# Allegro board HI3516APERB_VER_B_PCB.brd (continued)
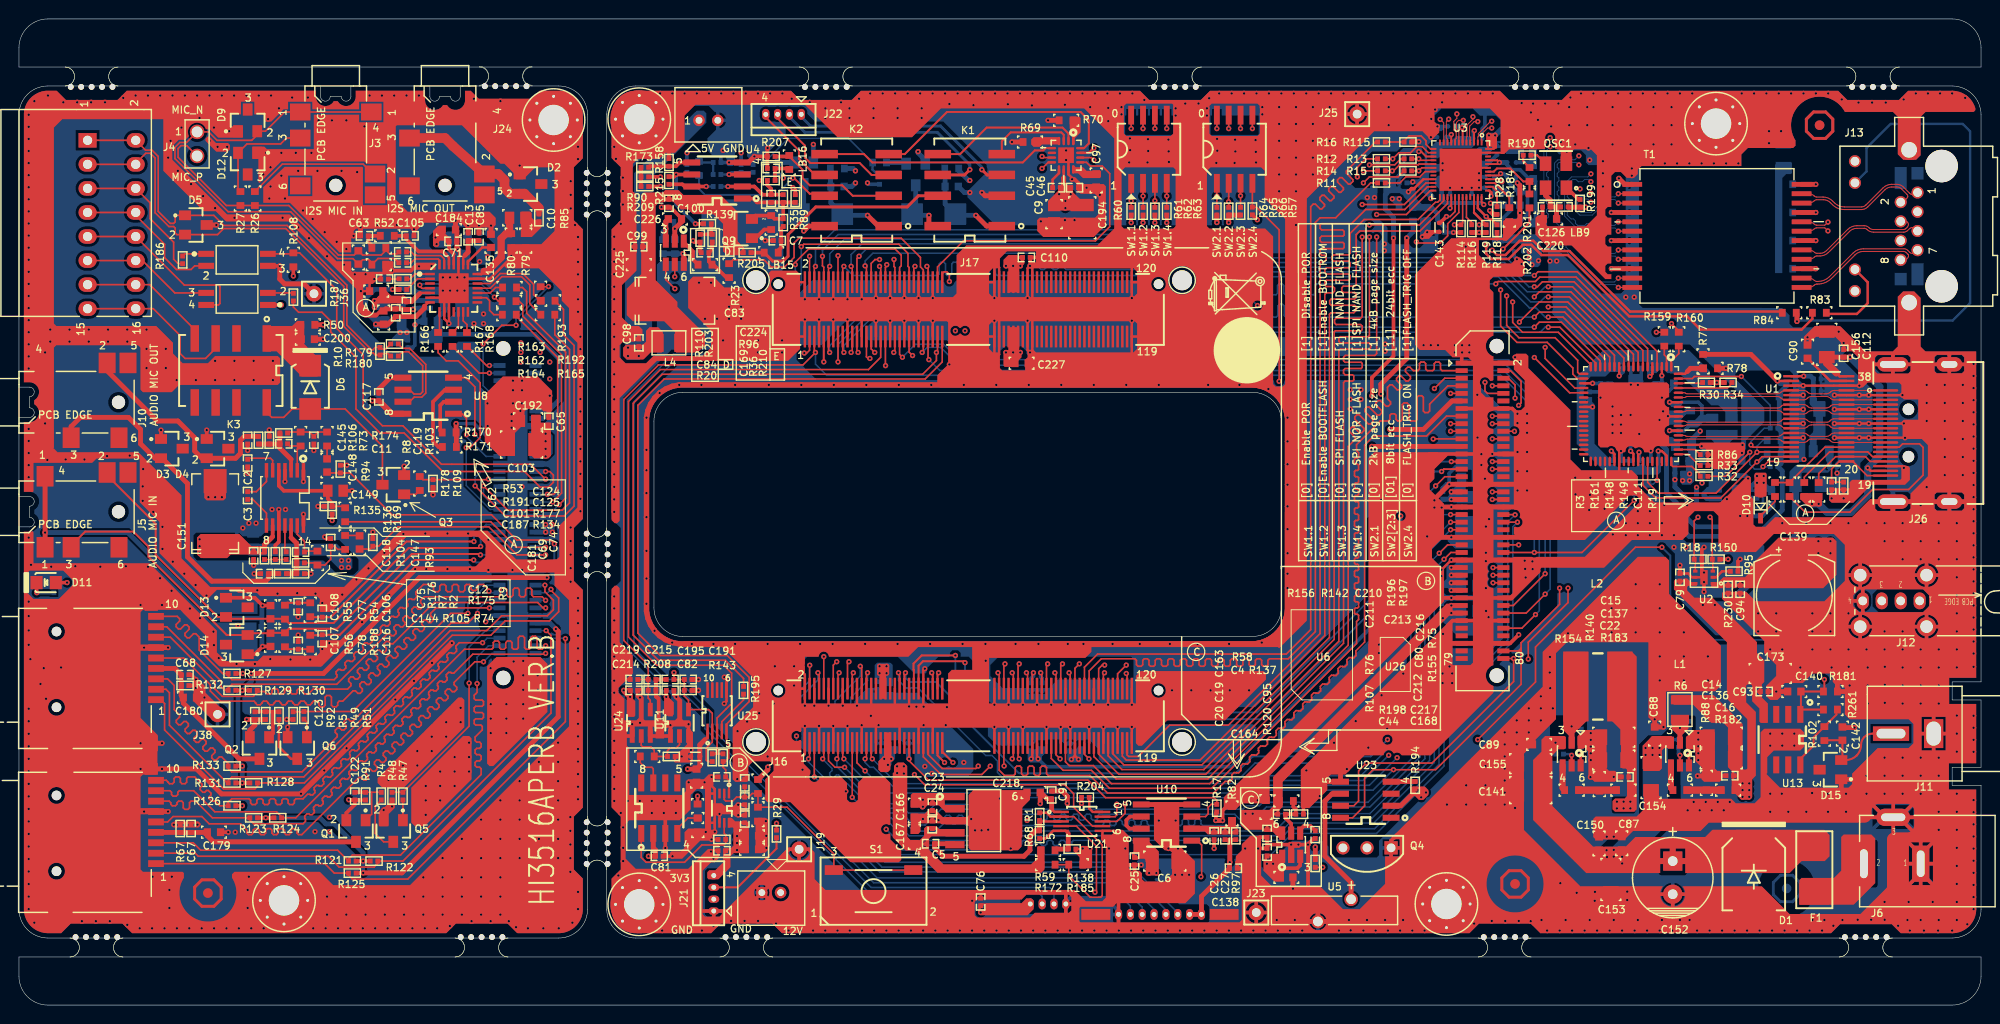
[diagram p0: board, top side]
## Placement (name value [footprint] x y rotation side) (continued)
R28  0  [SR0402]  155.96 83.91 90 top
R29  0  [SR0402]  79.93 18.08 270 top
R30  0  [SR0402]  178.05 65.75 0 top
R31  0  [SR0402]  170.43 54.45 90 bottom
R32  0  [SR0402]  177.8 55.85 0 top
R33  0  [SR0402]  177.8 56.99 0 top
R34  0  [SR0402]  180.34 65.75 180 top
R35  100/NC  [SR0603]  79.38 82.64 270 top
R36  1MEG  [SR0402]  80.64 85.18 270 top
R37  1K  [SR0402]  126.39 93.72 90 bottom
R38  1K  [SR0402]  128.9 93.72 90 bottom
R39  1K  [SR0402]  130.15 93.72 90 bottom
R40  1K  [SR0402]  127.64 93.72 90 bottom
R41  1K  [SR0402]  121.11 93.72 90 bottom
R42  1K  [SR0402]  118.61 93.72 90 bottom
R43  1K  [SR0402]  117.36 93.72 90 bottom
R44  1K  [SR0402]  119.86 93.72 90 bottom
R45  1K  [SR0402]  90.81 87.09 270 bottom
R46  1K  [SR0402]  79.38 87.72 0 bottom
R47  1K  [SR0402]  40.51 22.07 270 top
R48  1K  [SR0402]  39.37 22.07 270 top
R49  1K  [SR0402]  28.93 30.57 270 top
R50  10  [SR0603]  30.48 71.85 180 top
R51  1K  [SR0402]  30.07 30.6 270 top
R52  1.1K  [SR0603]  38.86 81.25 0 top
R53  1.1K  [SR0603]  37.97 79.98 0 top
R54  1.1K  [SR0603]  30.73 41.75 270 top
R55  1.1K  [SR0603]  28.07 41.5 270 top
R56  1.1K  [SR0603]  28.07 38.58 90 top
R57  10K  [SR0402]  130.15 83.87 90 top
R58  12K  [SR0603]  133.73 21.56 0 top
R59  12K  [SR0603]  108.58 16.35 0 top
R60  10K  [SR0402]  117.36 83.84 90 top
R61  10K  [SR0402]  118.61 83.84 90 top
R62  10K  [SR0402]  119.86 83.84 90 top
R63  10K  [SR0402]  121.11 83.84 90 top
R64  10K  [SR0402]  126.39 83.84 90 top
R65  10K  [SR0402]  127.64 83.85 90 top
R66  10K  [SR0402]  128.9 83.85 90 top
R67  10K  [SR0402]  17.02 18.65 90 top
R68  NC/0  [SR0402]  107.7 18 270 top
R69  1  [SR0603]  106.68 91.15 180 top
R70  1  [SR0603]  110.49 93.44 180 top
R71  100K  [SR0402]  175.11 27.63 270 bottom
R72  100K  [SR0402]  162.56 26.51 0 bottom
R73  100K  [SR0402]  26.42 59.66 90 top
R74  100K  [SR0402]  29.72 45.56 0 top
R75  4.7K  [SR0603]  77.98 23.08 90 top
R76  4.7K  [SR0603]  71.6 20.49 90 top
R77  NC/4.7K  [SR0603]  177.7 67.99 90 top
R78  4.7K  [SR0603]  178.49 67.25 180 top
R79  4.7K  [SR0603]  53.47 80.74 90 top
R80  NC/10  [SR0603]  51.94 80.74 270 top
R81  10  [SR0603]  20.95 48.48 180 bottom
R82  7.5K  [SR0603]  127.99 20.24 270 top
R83  510  [SR0603]  189.97 73.12 0 top
R84  510  [SR0603]  186.79 73.12 0 top
R85  220  [SR0402]  54.86 83.15 270 top
R86  4.3K  [SR0402]  177.8 58.13 180 top
R87  47K  [SR0402]  185.19 56.86 0 bottom
R88  7.68K  [SR0603]  178.05 23.46 90 top
R89  10  [SR0402]  80.64 82.64 270 top
R90  15K  [SR0402]  66.04 87.47 0 top
R91  2K  [SR0402]  36.58 22.07 90 top
R92  2K  [SR0402]  26.04 30.57 90 top
R93  470K  [SR0402]  37.34 48.86 90 top
R94  470K  [SR0402]  33.91 56.61 90 top
R95  20K  [SR0402]  180.97 45.81 0 top
R96  75  [SR0402]  79.38 87.09 180 top
R97  2.43K  [SR0402]  128.4 17.87 270 top
R98  75  [SR0603]  186.42 86.68 180 bottom
R99  75  [SR0603]  186.42 83.71 180 bottom
R100  75  [SR0603]  186.42 80.74 180 bottom
R101  75  [SR0603]  186.42 77.77 180 bottom
R102  75  [SR0603]  190.5 28.67 270 top
R103  24.3K  [SR0603]  32.51 59.78 90 top
R104  24.3K  [SR0603]  34.42 48.86 90 top
R105  560  [HSR0402]  27.81 45.56 180 top
R106  560  [HSR0402]  25.27 59.66 270 top
R107  NC/1K  [SR0603]  71.63 19.02 90 top
R108  1K  [SR0603]  28.96 78.71 90 top
R109  1K  [SR0402]  43.69 55.09 270 top
R110  2.7K  [SR0402]  71.88 80.99 270 top
R111  4.7K  [SR0402]  143.76 89.38 0 bottom
R112  4.7K  [SR0402]  143.76 88.11 0 bottom
R113  4.7K  [SR0402]  146.56 88.11 0 bottom
R114  4.7K  [SR0402]  152.15 82.01 90 top
R115  4.7K  [SR0402]  146.56 91.15 180 top
R116  4.7K  [SR0402]  153.29 82.01 90 top
R117  4.7K  [SR0402]  146.56 89.38 0 bottom
R118  4.7K  [SR0402]  155.96 82.01 90 top
R119  4.7K  [SR0402]  154.81 82.01 90 top
R120  4.7K  [SR0402]  136.78 14.95 270 top
R121  4.7K  [SR0402]  35.18 15.21 180 top
R122  4.7K  [SR0402]  37.47 15.21 0 top
R123  4.7K  [SR0402]  24.77 19.78 180 top
R124  4.7K  [SR0402]  27.3 19.78 0 top
R125  4.7K  [SR0402]  35.18 13.94 180 top
R126  4.7K  [SR0402]  22.48 21.05 180 top
R127  4.7K  [SR0402]  22.48 35.02 180 top
R128  4.7K  [SR0402]  24.77 23.46 0 top
R129  4.7K  [SR0402]  22.48 33.24 180 top
R130  4.7K  [SR0402]  24.74 33.24 0 top
R131  4.7K  [SR0402]  22.48 23.46 180 top
R132  10K  [SR0402]  17.53 33.75 0 top
R133  4.7K  [SR0402]  22.48 25.24 180 top
R134  4.7K  [SR0402]  40.51 75.58 0 top
R135  NC/4.7K  [SR0402]  32.64 52.67 180 top
R136  4.7K  [SR0402]  33.05 52.27 90 top
R137  24.9K  [SR0402]  135.13 20.16 0 top
R138  24.9K  [SR0402]  111.12 16.48 0 top
R139  2.7K  [SR0402]  72.64 82.52 180 top
R140  12.7K  [SR0603]  166.75 23.34 90 top
R141  22  [SR0402]  73.66 87.72 0 bottom
R142  1K  [SR0402]  68.83 26.26 180 top
R143  1K  [SR0402]  70.61 33.24 0 top
R144  2K  [SR0603]  90.81 88.99 0 bottom
R145  2K  [SR0603]  79.38 88.99 0 bottom
R146  2K  [SR0603]  185.19 58.16 0 bottom
R147  2K  [SR0603]  185.19 59.66 0 bottom
R148  2K  [SR0603]  188.38 54.45 270 top
R149  2K  [SR0603]  189.9 54.45 270 top
R150  100K  [SR0402]  179.07 47.08 180 top
R151  100K  [SR0402]  185.19 60.93 0 bottom
R152  0  [SR0603]  146.35 84.32 0 bottom
R153  NC/0  [SR0603]  147.09 83.53 90 bottom
R154  0  [SR0603]  163.83 22.7 0 top
R155  NC/0  [SR0603]  77.98 20.16 90 top
R156  0  [SR0603]  66.29 26.26 0 top
R157  10K  [SR0402]  77.47 88.36 90 bottom
R158  10K  [SR0402]  68.58 88.99 90 top
R159  0  [SR0603]  173.61 70.33 90 top
R160  0  [SR0603]  175.13 70.33 90 top
R161  NC/0  [SR0603]  186.82 54.45 90 top
R162  0  [SR0603]  51.71 74.34 0 top
R163  0  [SR0603]  51.77 75.79 0 top
R164  0  [SR0603]  51.74 72.92 0 top
R165  0  [SR0603]  55.8 72.92 0 top
R166  0  [SR0603]  44.22 70.3 270 top
R167  0  [SR0603]  45.75 70.3 270 top
R168  0  [SR0603]  47.27 70.3 270 top
R169  NC/0  [SR0603]  34.42 51.78 90 top
R170  0  [SR0603]  45.39 60.47 180 top
R171  0  [SR0603]  45.42 58.95 180 top
R172  56.2K  [SR0603]  108.58 14.83 0 top
R173  10K  [SR0402]  66.04 88.49 0 top
R174  100K  [SR0402]  27.94 60.42 180 top
R175  100K  [SR0402]  29.72 46.7 0 top
R176  5.6K  [SR0402]  25.91 47.47 90 top
R177  8.2K  [SR0402]  40.51 76.7 180 top
R178  2K  [SR0603]  42.29 55.09 270 top
R179  100  [SR0402]  39.62 69.82 180 top
R180  100  [SR0402]  39.62 68.55 180 top
R181  75  [SR0603]  191.13 33.11 0 top
R182  40.2K  [SR0603]  180.34 22.7 0 top
R183  40.2K  [SR0603]  169.29 22.7 0 top
R184  2.49K  [SR0603]  157.25 83.48 270 top
R185  33.2K  [SR0603]  111.51 14.83 0 top
R186  330  [SR0402]  17.27 78.71 270 top
R187  330  [SR0402]  28.96 74.77 270 top
R188  1.1K  [SR0603]  30.73 38.32 90 top
R189  0  [SR0603]  24.89 39.85 180 bottom
R190  33  [SR0402]  159.13 89.76 180 top
R191  0  [SR0603]  37.97 78.2 0 top
R192  0  [SR0603]  55.83 74.39 0 top
R193  NC/0  [SR0603]  55.04 75.13 90 top
R194  4.7K  [SR0402]  147.32 23.21 90 top
R195  0  [SR0402]  76.45 33.24 90 top
R196  NC/0  [SR0402]  73.15 26.13 90 top
R197  NC/0  [SR0402]  74.3 26.13 90 top
R198  1K  [SR0402]  74.17 17.49 0 top
R199  NC/4.7K  [SR0402]  164.72 84.68 90 top
R200  200  [SR0402]  3.68 43.96 90 bottom
R201  NC/0  [SR0603]  159.38 87.72 270 top
R202  0  [SR0603]  159.38 84.93 90 top
R203  10K  [SR0402]  73.15 80.99 90 top
R204  4.7K  [SR0402]  112.52 21.94 180 top
R205  NC/4.7K  [SR0402]  76.83 79.47 0 top
R206  NC/4.7K  [SR0402]  70.48 88.36 90 bottom
R207  NC/4.7K  [SR0402]  79.38 89.63 180 top
R208  1K  [SR0402]  66.8 33.24 0 top
R209  4.7K  [SR0402]  66.04 86.45 180 top
R210  1K  [SR0402]  81.92 85.18 90 top
R211  NC/0  [SR0603]  67.94 80.1 270 bottom
R212  0  [SR0603]  69.22 80.1 90 bottom
R213  100K  [SR0402]  73.66 86.45 0 bottom
R214  6.8K  [SR0402]  76.2 88.36 270 bottom
R215  6.8K  [SR0402]  68.58 87.09 270 top
R230  100K  [SR0402]  180.34 43.91 270 top
R261  NC/0  [SR0603]  191.13 31.21 0 top
S1  TL3301AF160RG  [SSW-PUSH]  90.17 12.03 0 top
SW1  EMR_0415_T_V_T_R  [SW4_6M6X5M4]  119.23 90.39 0 top
SW2  EMR_0415_T_V_T_R  [SW4_6M6X5M4]  128.27 90.39 0 top
T1  7490200123  [STFM24-39-630]  179.16 81.24 270 top
U1  CM2020  [SOP38-20-173A]  189.91 61.92 270 top
U2  TPS2553DRVR  [MLF6-065-0202L]  177.8 45.18 90 top
U3  RTL8211E_VB  [MLF48A-040-0606L]  152.13 88.22 180 top
U4  LMC6482IM  [SOP8-50-150]  73.66 87.09 90 top
U5  796136_1  [BAT2-3_5]  138.81 10 180 top
U6  ADM706RAR  [SOP8-50-150]  67.56 20.8 0 top
U7  -  [SGM8903]  28.07 53.56 180 top
U8  ADM3485EAR_REEL7  [SOP8-50-150]  43.18 64.36 90 top
U9  MP1470  [TSOT23-6]  175.26 26.51 180 top
U10  AD8602ARZ_REEL7  [SOP8-50-150]  121.08 19.27 90 top
U11  SN74LVC1G125DBVR  [SOT23-5B]  69.7 29.81 0 top
U12  PS2801_1_F3  [SGO4-50-173]  23.01 78.71 270 top
U13  FMS6143_A  [SOP8-50-173]  186.06 28.03 180 top
U14  PS2801_1_F3  [SGO4-50-173]  23.01 74.58 90 top
U15  MP1471  [TSOT23-6]  163.83 26.51 180 top
U16  MP6507  [QFN16-050-0303LH]  110.49 89.76 180 top
U17  AK7756EN  [BCC28H-050-0505L]  45.87 75.71 0 top
U18  TPS79301  [SOT23-6B]  180.21 53.51 270 bottom
U19  TPS79501  [SOT223-6A]  101.8 19.47 270 top
U20  TPS79301  [SOT23-6B]  134.24 16.94 0 top
U21  ADG884BRMZ_REEL7  [SOP10-20-124A]  112.14 19.4 270 top
U22  SII9022  [QFN-72]  170.1 62.42 180 top
U23  DS3231MZ_A  [SOP8-50-150]  142.11 21.68 90 top
U24  SN74LVC1G125DBVR  [SOT23-5B]  65.66 29.81 0 top
U25  ADG884BRMZ_REEL7  [SOP10-20-124A]  73.66 31.08 0 top
U26  NC7WZ08K8X  [SOP8-20-95]  74.17 20.8 180 top
U27  NC  [SOT23-6B]  69.2 79.47 180 top

## Library data of the parts
C1 C62 C87-C90 C97 C107 C108 C128-C135 C140 C142 C147 C148 C150 C161-C168 C170-C172 C174-C177 C179-C182 C184-C187 C200-C204 C209 C211 C217 C218 C220-C222 C225-C227 = SC0603
C2 C3 C13 C63 C77 C78 = HSC0402
C4 C5 C7 C8 C11 C12 C16-C27 C43-C61 C64-C76 C79-C82 C84-C86 C91-C96 C98-C102 C105 C106 C109-C127 C138 C144 C145 C160 C169 C178 C188-C191 C195 C212-C216 C219 C223 C224 = SC0402
C6 C14 C15 C136 C137 C146 C153-C159 C173 = SC1206
C9 C10 C149 C192 C193 C205-C208 = SC0805
C28-C42 C143 C210 = SC0402-BGA
C83 C151 = STC7343
C103 C104 C141 C183 C194 C196-C199 = SC1210
C139 = SCAPC2-0808C
C152 = CAPC2-138-335
D1 = SD2723
D2-D5 D9 D12-D15 Q1-Q3 Q5-Q9 = SOT23
D6-D8 = SD1714A
D10 = HSOD323A
D11 = SD0805-LED
F1 = SF6127
J1 J2 = TF_CARD-MISOSD
J3 J5 J10 J24 = VAF6-1406D
J4 = SIP-2P
J6 = PWC0103-M-N
J7 = HD16-2_54MM-S
J8 = CONN80-0_8MM-ERF8-DV
J9 = CONN80-0_8MM-ERM8-DV
J11 = VAF2
J12 = USB4-200-1907
J13 = MJ8-SRLFY
J14 = WBC0108-49T
J15 J18 = SIP-2P-2_0
J16 J17 = HSED120-20F-QSH
J19 J23 J25 J36 J38 = SIP-1P
J20-J22 = WBC0104-49T
J26 = MOLEX_47151
K1-K3 = SRLY8-87-283
L1 L3 L4 = HSL1008
L2 = SL2828
LB1-LB8 LB10-LB13 = SL0805
LB9 = SL0402
LB14-LB16 = SL0603
M5-M10 = MTH_C6MMD3P2MM
OSC1 = HSX4-0503
Q4 = TO-TR
R1 R2 R4 R5 R7 R10-R19 R24 R25 R28-R34 R36-R49 R51 R57 R60-R68 R71-R74 R85-R87 R89-R97 R109-R139 R141-R143 R150 R151 R157 R158 R173-R177 R179 R180 R186 R187 R190 R194-R200 R203-R210 R213-R215 R230 = SR0402
R3 R6 R8 R9 R20-R23 R26 R27 R35 R50 R52-R56 R58 R59 R69 R70 R75-R84 R88 R98-R104 R107 R108 R140 R144-R149 R152-R156 R159-R172 R178 R181-R185 R188 R189 R191-R193 R201 R202 R211 R212 R261 = SR0603
R105 R106 = HSR0402
S1 = SSW-PUSH
SW1 SW2 = SW4_6M6X5M4
T1 = STFM24-39-630
U1 = SOP38-20-173A
U2 = MLF6-065-0202L
U3 = MLF48A-040-0606L
U4 U6 U8 U10 U23 = SOP8-50-150
U5 = BAT2-3_5
U7 = SGM8903
U9 U15 = TSOT23-6
U11 U24 = SOT23-5B
U12 U14 = SGO4-50-173
U13 = SOP8-50-173
U16 = QFN16-050-0303LH
U17 = BCC28H-050-0505L
U18 U20 U27 = SOT23-6B
U19 = SOT223-6A
U21 U25 = SOP10-20-124A
U22 = QFN-72
U26 = SOP8-20-95

## Footprints (pads in the part's own frame, mm; a bottom-side part is the same pattern mirrored in y, then rotated)
BAT2-3_5
  round 1.422 hole 1.016: 1(-1.75,-1.175) 2(1.75,1.175)
BCC28H-050-0505L
  rect 1.016x0.254 smd: 1(-2.5,1.5) 2(-2.5,1) 3(-2.5,0.5) 4(-2.5,0) 5(-2.5,-0.5) 6(-2.5,-1) 7(-2.5,-1.5) 15(2.5,-1.5) 16(2.5,-1) 17(2.5,-0.5) 18(2.5,0) 19(2.5,0.5) 20(2.5,1) 21(2.5,1.5)
  rect 0.254x1.016 smd: 8(-1.5,-2.5) 9(-1,-2.5) 10(-0.5,-2.5) 11(0,-2.5) 12(0.5,-2.5) 13(1,-2.5) 14(1.5,-2.5) 22(1.5,2.5) 23(1,2.5) 24(0.5,2.5) 25(0,2.5) 26(-0.5,2.5) 27(-1,2.5) 28(-1.5,2.5)
  rect 3.15x3.15 smd: 29(0,0)
CAPC2-138-335
  rect 2.032x2.032 hole 1.016: 1(0,0)
  round 2.032 hole 1.016: 2(3.5,0)
CONN80-0_8MM-ERF8-DV
  round 1.524 hole 1.524 unplated: (-17.4,-1.5) (17.4,-1.5)
  rect 0.508x1.27 smd: 1(15.6,2.2) 2(15.6,-2.2) 3(14.8,2.2) 4(14.8,-2.2) 5(14,2.2) 6(14,-2.2) 7(13.2,2.2) 8(13.2,-2.2) 9(12.4,2.2) 10(12.4,-2.2) 11(11.6,2.2) 12(11.6,-2.2) 13(10.8,2.2) 14(10.8,-2.2) 15(10,2.2) 16(10,-2.2) 17(9.2,2.2) 18(9.2,-2.2) 19(8.4,2.2) 20(8.4,-2.2) 21(7.6,2.2) 22(7.6,-2.2) 23(6.8,2.2) 24(6.8,-2.2) 25(6,2.2) 26(6,-2.2) 27(5.2,2.2) 28(5.2,-2.2) 29(4.4,2.2) 30(4.4,-2.2) 31(3.6,2.2) 32(3.6,-2.2) 33(2.8,2.2) 34(2.8,-2.2) 35(2,2.2) 36(2,-2.2) 37(1.2,2.2) 38(1.2,-2.2) 39(0.4,2.2) 40(0.4,-2.2) 41(-0.4,2.2) 42(-0.4,-2.2) 43(-1.2,2.2) 44(-1.2,-2.2) 45(-2,2.2) 46(-2,-2.2) 47(-2.8,2.2) 48(-2.8,-2.2) 49(-3.6,2.2) 50(-3.6,-2.2) 51(-4.4,2.2) 52(-4.4,-2.2) 53(-5.2,2.2) 54(-5.2,-2.2) 55(-6,2.2) 56(-6,-2.2) 57(-6.8,2.2) 58(-6.8,-2.2) 59(-7.6,2.2) 60(-7.6,-2.2) 61(-8.4,2.2) 62(-8.4,-2.2) 63(-9.2,2.2) 64(-9.2,-2.2) 65(-10,2.2) 66(-10,-2.2) 67(-10.8,2.2) 68(-10.8,-2.2) 69(-11.6,2.2) 70(-11.6,-2.2) 71(-12.4,2.2) 72(-12.4,-2.2) 73(-13.2,2.2) 74(-13.2,-2.2) 75(-14,2.2) 76(-14,-2.2) 77(-14.8,2.2) 78(-14.8,-2.2) 79(-15.6,2.2) 80(-15.6,-2.2)
CONN80-0_8MM-ERM8-DV
  round 1.524 hole 1.524 unplated: (-17.4,1.5) (17.4,1.5)
  rect 0.508x1.27 smd: 1(15.6,-1.9) 2(15.6,1.9) 3(14.8,-1.9) 4(14.8,1.9) 5(14,-1.9) 6(14,1.9) 7(13.2,-1.9) 8(13.2,1.9) 9(12.4,-1.9) 10(12.4,1.9) 11(11.6,-1.9) 12(11.6,1.9) 13(10.8,-1.9) 14(10.8,1.9) 15(10,-1.9) 16(10,1.9) 17(9.2,-1.9) 18(9.2,1.9) 19(8.4,-1.9) 20(8.4,1.9) 21(7.6,-1.9) 22(7.6,1.9) 23(6.8,-1.9) 24(6.8,1.9) 25(6,-1.9) 26(6,1.9) 27(5.2,-1.9) 28(5.2,1.9) 29(4.4,-1.9) 30(4.4,1.9) 31(3.6,-1.9) 32(3.6,1.9) 33(2.8,-1.9) 34(2.8,1.9) 35(2,-1.9) 36(2,1.9) 37(1.2,-1.9) 38(1.2,1.9) 39(0.4,-1.9) 40(0.4,1.9) 41(-0.4,-1.9) 42(-0.4,1.9) 43(-1.2,-1.9) 44(-1.2,1.9) 45(-2,-1.9) 46(-2,1.9) 47(-2.8,-1.9) 48(-2.8,1.9) 49(-3.6,-1.9) 50(-3.6,1.9) 51(-4.4,-1.9) 52(-4.4,1.9) 53(-5.2,-1.9) 54(-5.2,1.9) 55(-6,-1.9) 56(-6,1.9) 57(-6.8,-1.9) 58(-6.8,1.9) 59(-7.6,-1.9) 60(-7.6,1.9) 61(-8.4,-1.9) 62(-8.4,1.9) 63(-9.2,-1.9) 64(-9.2,1.9) 65(-10,-1.9) 66(-10,1.9) 67(-10.8,-1.9) 68(-10.8,1.9) 69(-11.6,-1.9) 70(-11.6,1.9) 71(-12.4,-1.9) 72(-12.4,1.9) 73(-13.2,-1.9) 74(-13.2,1.9) 75(-14,-1.9) 76(-14,1.9) 77(-14.8,-1.9) 78(-14.8,1.9) 79(-15.6,-1.9) 80(-15.6,1.9)
HD16-2_54MM-S
  rect 1.524x1.905 hole 0.965: 1(-8.89,-2.54)
  oval 1.524x1.905 hole 0.965: 2(-8.89,2.54) 3(-6.35,-2.54) 4(-6.35,2.54) 5(-3.81,-2.54) 6(-3.81,2.54) 7(-1.27,-2.54) 8(-1.27,2.54) 9(1.27,-2.54) 10(1.27,2.54) 11(3.81,-2.54) 12(3.81,2.54) 13(6.35,-2.54) 14(6.35,2.54) 15(8.89,-2.54) 16(8.89,2.54)
HSC0402
  rect 0.508x0.508 smd: 1(-0.406,0) 2(0.406,0)
HSED120-20F-QSH
  round 1.016 hole 1.016 unplated: (-20.06,2.67) (20.07,2.67)
  rect 0.254x2.286 smd: 1(-17.25,-2.87) 2(-17.25,2.87) 3(-16.75,-2.87) 4(-16.75,2.87) 5(-16.25,-2.87) 6(-16.25,2.87) 7(-15.75,-2.87) 8(-15.75,2.87) 9(-15.25,-2.87) 10(-15.25,2.87) 11(-14.75,-2.87) 12(-14.75,2.87) 13(-14.25,-2.87) 14(-14.25,2.87) 15(-13.75,-2.87) 16(-13.75,2.87) 17(-13.25,-2.87) 18(-13.25,2.87) 19(-12.75,-2.87) 20(-12.75,2.87) 21(-12.25,-2.87) 22(-12.25,2.87) 23(-11.75,-2.87) 24(-11.75,2.87) 25(-11.25,-2.87) 26(-11.25,2.87) 27(-10.75,-2.87) 28(-10.75,2.87) 29(-10.25,-2.87) 30(-10.25,2.87) 31(-9.75,-2.87) 32(-9.75,2.87) 33(-9.25,-2.87) 34(-9.25,2.87) 35(-8.75,-2.87) 36(-8.75,2.87) 37(-8.25,-2.87) 38(-8.25,2.87) 39(-7.75,-2.87) 40(-7.75,2.87) 41(-7.25,-2.87) 42(-7.25,2.87) 43(-6.75,-2.87) 44(-6.75,2.87) 45(-6.25,-2.87) 46(-6.25,2.87) 47(-5.75,-2.87) 48(-5.75,2.87) 49(-5.25,-2.87) 50(-5.25,2.87) 51(-4.75,-2.87) 52(-4.75,2.87) 53(-4.25,-2.87) 54(-4.25,2.87) 55(-3.75,-2.87) 56(-3.75,2.87) 57(-3.25,-2.87) 58(-3.25,2.87) 59(-2.75,-2.87) 60(-2.75,2.87) 61(2.75,-2.87) 62(2.75,2.87) 63(3.25,-2.87) 64(3.25,2.87) 65(3.75,-2.87) 66(3.75,2.87) 67(4.25,-2.87) 68(4.25,2.87) 69(4.75,-2.87) 70(4.75,2.87) 71(5.25,-2.87) 72(5.25,2.87) 73(5.75,-2.87) 74(5.75,2.87) 75(6.25,-2.87) 76(6.25,2.87) 77(6.75,-2.87) 78(6.75,2.87) 79(7.25,-2.87) 80(7.25,2.87) 81(7.75,-2.87) 82(7.75,2.87) 83(8.25,-2.87) 84(8.25,2.87) 85(8.75,-2.87) 86(8.75,2.87) 87(9.25,-2.87) 88(9.25,2.87) 89(9.75,-2.87) 90(9.75,2.87) 91(10.25,-2.87) 92(10.25,2.87) 93(10.75,-2.87) 94(10.75,2.87) 95(11.25,-2.87) 96(11.25,2.87) 97(11.75,-2.87) 98(11.75,2.87) 99(12.25,-2.87) 100(12.25,2.87) 101(12.75,-2.87) 102(12.75,2.87) 103(13.25,-2.87) 104(13.25,2.87) 105(13.75,-2.87) 106(13.75,2.87) 107(14.25,-2.87) 108(14.25,2.87) 109(14.75,-2.87) 110(14.75,2.87) 111(15.25,-2.87) 112(15.25,2.87) 113(15.75,-2.87) 114(15.75,2.87) 115(16.25,-2.87) 116(16.25,2.87) 117(16.75,-2.87) 118(16.75,2.87) 119(17.25,-2.87) 120(17.25,2.87)
  rect 2.54x0.457 smd: 121(-18.06,0) 124(-1.93,0) 125(1.94,0) 128(18.07,0)
  rect 4.699x0.457 smd: 122(-13.17,0) 123(-6.82,0) 126(6.83,0) 127(13.18,0)
HSL1008
  rect 0.94x1.905 smd: 1(-1.029,0) 2(1.029,0)
HSOD323A
  rect 1.118x0.508 smd: 1(1.372,0) 2(-1.372,0)
HSR0402
  rect 0.508x0.508 smd: 1(-0.406,0) 2(0.406,0)
HSX4-0503
  rect 1.524x1.219 smd: 1(-1.27,-1.1) 2(1.27,-1.1) 3(1.27,1.1) 4(-1.27,1.1)
MJ8-SRLFY
  round 3.429 hole 3.429 unplated: (-2.794,2.54) (9.906,2.54)
  round 1.27 hole 0.914: 1(0,0) 2(1.016,-1.778) 3(2.032,0) 4(3.048,-1.778) 5(4.064,0) 6(5.08,-1.778) 7(6.096,0) 8(7.112,-1.778) 13(-3.302,-6.604) 14(-1.016,-6.604) 15(8.128,-6.604) 16(10.414,-6.604)
  round 2.159 hole 1.651: 11(-4.508,-0.889) 12(11.62,-0.889)
MLF6-065-0202L
  rect 0.305x0.457 smd: 1(-0.65,-0.925) 2(0,-0.925) 3(0.65,-0.925) 4(0.65,0.925) 5(0,0.925) 6(-0.65,0.925)
  rect 1.524x0.762 smd: 7(0,0)
MLF48A-040-0606L
  rect 0.203x0.61 smd: 1(-2.2,-2.879) 2(-1.8,-2.879) 3(-1.4,-2.879) 4(-1,-2.879) 5(-0.6,-2.879) 6(-0.2,-2.879) 7(0.2,-2.879) 8(0.6,-2.879) 9(1,-2.879) 10(1.4,-2.879) 11(1.8,-2.879) 12(2.2,-2.879) 25(2.2,2.879) 26(1.8,2.879) 27(1.4,2.879) 28(1,2.879) 29(0.6,2.879) 30(0.2,2.879) 31(-0.2,2.879) 32(-0.6,2.879) 33(-1,2.879) 34(-1.4,2.879) 35(-1.8,2.879) 36(-2.2,2.879)
  rect 0.61x0.203 smd: 13(2.879,-2.2) 14(2.879,-1.8) 15(2.879,-1.4) 16(2.879,-1) 17(2.879,-0.6) 18(2.879,-0.2) 19(2.879,0.2) 20(2.879,0.6) 21(2.879,1) 22(2.879,1.4) 23(2.879,1.8) 24(2.879,2.2) 37(-2.879,2.2) 38(-2.879,1.8) 39(-2.879,1.4) 40(-2.879,1) 41(-2.879,0.6) 42(-2.879,0.2) 43(-2.879,-0.2) 44(-2.879,-0.6) 45(-2.879,-1) 46(-2.879,-1.4) 47(-2.879,-1.8) 48(-2.879,-2.2)
  rect 4.445x4.445 smd: 49(0,0)
MOLEX_47151
  round 1.219 hole 1.219 unplated: (-2.5,2.096) (2.5,2.096)
  oval 0.254x2.667 smd: 1(4.5,4.508) 2(4,4.508) 3(3.5,4.508) 4(3,4.508) 5(2.5,4.508) 6(2,4.508) 7(1.5,4.508) 8(1,4.508) 9(0.5,4.508) 10(0,4.508) 11(-0.5,4.508) 12(-1,4.508) 13(-1.5,4.508) 14(-2,4.508) 15(-2.5,4.508) 16(-3,4.508) 17(-3.5,4.508) 18(-4,4.508) 19(-4.5,4.508)
  oval 1.524x3.302 hole 0.711x2.718: 20(-7.25,3.746) 21(7.25,3.746)
  oval 1.524x2.718 hole 0.711x1.702: 22(-7.25,-2.214) 23(7.25,-2.214)
MTH_C6MMD3P2MM
  round 6.096 hole 3.2: 1(0,0)
  round 0.61 hole 0.305: 2(2.5,0) 3(1.768,1.768) 4(0,2.5) 5(-1.768,1.768) 6(-2.5,0) 7(-1.768,-1.768) 8(0,-2.5) 9(1.768,-1.768)
PWC0103-M-N
  rect 1.829x3.81 hole 0.813x2.794: 1(0,0)
  oval 1.829x4.064 hole 0.813x3.048: 2(-6,0)
  oval 3.556x1.829 hole 2.54x0.813: 3(-2.9,4.9)
QFN16-050-0303LH
  oval 0.254x0.889 smd: 1(-0.75,-1.5) 2(-0.25,-1.5) 3(0.25,-1.5) 4(0.75,-1.5) 9(0.75,1.5) 10(0.25,1.5) 11(-0.25,1.5) 12(-0.75,1.5)
  oval 0.889x0.254 smd: 5(1.5,-0.75) 6(1.5,-0.25) 7(1.5,0.25) 8(1.5,0.75) 13(-1.5,0.75) 14(-1.5,0.25) 15(-1.5,-0.25) 16(-1.5,-0.75)
  rect 1.651x1.651 smd: 17(0,0)
QFN-72
  oval 0.254x1.016 smd: 1(-4.25,-5) 2(-3.75,-5) 3(-3.25,-5) 4(-2.75,-5) 5(-2.25,-5) 6(-1.75,-5) 7(-1.25,-5) 8(-0.75,-5) 9(-0.25,-5) 10(0.25,-5) 11(0.75,-5) 12(1.25,-5) 13(1.75,-5) 14(2.25,-5) 15(2.75,-5) 16(3.25,-5) 17(3.75,-5) 18(4.25,-5) 37(4.25,5) 38(3.75,5) 39(3.25,5) 40(2.75,5) 41(2.25,5) 42(1.75,5) 43(1.25,5) 44(0.75,5) 45(0.25,5) 46(-0.25,5) 47(-0.75,5) 48(-1.25,5) 49(-1.75,5) 50(-2.25,5) 51(-2.75,5) 52(-3.25,5) 53(-3.75,5) 54(-4.25,5)
  oval 1.016x0.254 smd: 19(5,-4.25) 20(5,-3.75) 21(5,-3.25) 22(5,-2.75) 23(5,-2.25) 24(5,-1.75) 25(5,-1.25) 26(5,-0.75) 27(5,-0.25) 28(5,0.25) 29(5,0.75) 30(5,1.25) 31(5,1.75) 32(5,2.25) 33(5,2.75) 34(5,3.25) 35(5,3.75) 36(5,4.25) 55(-5,4.25) 56(-5,3.75) 57(-5,3.25) 58(-5,2.75) 59(-5,2.25) 60(-5,1.75) 61(-5,1.25) 62(-5,0.75) 63(-5,0.25) 64(-5,-0.25) 65(-5,-0.75) 66(-5,-1.25) 67(-5,-1.75) 68(-5,-2.25) 69(-5,-2.75) 70(-5,-3.25) 71(-5,-3.75) 72(-5,-4.25)
  rect 4.877x4.877 smd: 73(0,0)
SC0402
  rect 0.508x0.508 smd: 1(-0.406,0) 2(0.406,0)
SC0402-BGA
  custom 0.475x0.51 smd: 1(-0.47,0) 2(0.47,0)
SC0603
  rect 0.762x0.813 smd: 1(-0.699,0) 2(0.699,0)
SC0805
  rect 0.991x1.27 smd: 1(-0.813,0) 2(0.813,0)
SC1206
  rect 1.295x1.651 smd: 1(-1.346,0) 2(1.346,0)
SC1210
  rect 1.295x2.413 smd: 1(-1.346,0) 2(1.346,0)
SCAPC2-0808C
  rect 3.556x2.032 smd: 1(-3.328,0) 2(3.328,0)
SD0805-LED
  rect 1.27x1.397 smd: 1(-1.016,0) 2(1.016,0)
SD1714A
  rect 2.286x2.286 smd: 1(-2.286,0) 2(2.286,0)
SD2723
  rect 2.794x3.81 smd: 1(-3.556,0) 2(3.556,0)
SF6127
  rect 2.286x3.175 smd: 1(-2.54,0) 2(2.54,0)
SGM8903
  rect 0.356x1.524 smd: 1(-1.95,-2.921) 2(-1.3,-2.921) 3(-0.65,-2.921) 4(0,-2.921) 5(0.65,-2.921) 6(1.3,-2.921) 7(1.95,-2.921) 8(1.95,2.921) 9(1.3,2.921) 10(0.65,2.921) 11(0,2.921) 12(-0.65,2.921) 13(-1.3,2.921) 14(-1.95,2.921)
SGO4-50-173
  rect 0.635x1.651 smd: 1(-0.635,-3.25) 2(0.635,-3.25) 3(0.635,3.25) 4(-0.635,3.25)
SIP-1P
  round 1.651 hole 0.914: 1(0,0)
SIP-2P
  round 1.524 hole 1.143: 1(-1.27,0) 2(1.27,0)
SIP-2P-2_0
  round 1.219 hole 0.711: 1(-0.991,0) 2(0.991,0)
SL0402
  rect 0.483x0.508 smd: 1(-0.394,0) 2(0.394,0)
SL0603
  rect 0.711x0.813 smd: 1(-0.74,0) 2(0.74,0)
SL0805
  rect 0.94x1.27 smd: 1(-0.851,0) 2(0.851,0)
SL2828
  rect 7.366x2.667 smd: 1(0,-2.325) 2(0,2.325)
SOP8-20-95
  rect 0.254x1.016 smd: 1(-0.75,-1.547) 2(-0.25,-1.547) 3(0.25,-1.547) 4(0.75,-1.547) 5(0.75,1.547) 6(0.25,1.547) 7(-0.25,1.547) 8(-0.75,1.547)
SOP8-50-150
  rect 0.635x1.778 smd: 1(-1.905,-2.667) 2(-0.635,-2.667) 3(0.635,-2.667) 4(1.905,-2.667) 5(1.905,2.667) 6(0.635,2.667) 7(-0.635,2.667) 8(-1.905,2.667)
SOP8-50-173
  rect 0.635x1.778 smd: 1(-1.905,-2.667) 2(-0.635,-2.667) 3(0.635,-2.667) 4(1.905,-2.667) 5(1.905,2.667) 6(0.635,2.667) 7(-0.635,2.667) 8(-1.905,2.667)
SOP10-20-124A
  rect 0.254x1.651 smd: 1(-1,-2.184) 2(-0.5,-2.184) 3(0,-2.184) 4(0.5,-2.184) 5(1,-2.184) 6(1,2.184) 7(0.5,2.184) 8(0,2.184) 9(-0.5,2.184) 10(-1,2.184)
SOP38-20-173A
  rect 0.254x1.651 smd: 1(-4.5,-2.921) 2(-4,-2.921) 3(-3.5,-2.921) 4(-3,-2.921) 5(-2.5,-2.921) 6(-2,-2.921) 7(-1.5,-2.921) 8(-1,-2.921) 9(-0.5,-2.921) 10(0,-2.921) 11(0.5,-2.921) 12(1,-2.921) 13(1.5,-2.921) 14(2,-2.921) 15(2.5,-2.921) 16(3,-2.921) 17(3.5,-2.921) 18(4,-2.921) 19(4.5,-2.921) 20(4.5,2.921) 21(4,2.921) 22(3.5,2.921) 23(3,2.921) 24(2.5,2.921) 25(2,2.921) 26(1.5,2.921) 27(1,2.921) 28(0.5,2.921) 29(0,2.921) 30(-0.5,2.921) 31(-1,2.921) 32(-1.5,2.921) 33(-2,2.921) 34(-2.5,2.921) 35(-3,2.921) 36(-3.5,2.921) 37(-4,2.921) 38(-4.5,2.921)
SOT23
  rect 1.016x1.27 smd: 1(-1.016,-1.143) 2(1.016,-1.143) 3(0,1.143)
SOT23-5B
  rect 0.508x1.422 smd: 1(-0.953,-1.397) 2(0,-1.397) 3(0.953,-1.397) 4(0.953,1.397) 5(-0.953,1.397)
SOT23-6B
  rect 0.635x1.397 smd: 1(-0.95,-1.225) 2(0,-1.225) 3(0.95,-1.225) 4(0.95,1.225) 5(0,1.225) 6(-0.95,1.225)
SOT223-6A
  rect 0.762x2.032 smd: 1(-2.54,-3.05) 2(-1.27,-3.05) 3(0,-3.05) 4(1.27,-3.05) 5(2.54,-3.05)
  rect 3.556x2.032 smd: 6(0,3.05)
SR0402
  rect 0.508x0.508 smd: 1(-0.406,0) 2(0.406,0)
SR0603
  rect 0.711x0.813 smd: 1(-0.737,0) 2(0.737,0)
SRLY8-87-283
  rect 0.889x2.794 smd: 1(-3.8,-3.378) 2(-0.6,-3.378) 3(1.6,-3.378) 4(3.8,-3.378) 5(3.8,3.378) 6(1.6,3.378) 7(-0.6,3.378) 8(-3.8,3.378)
SSW-PUSH
  rect 1.905x1.016 smd: 1(-4.191,-2.223) 2(4.191,-2.223) 3(-4.191,2.223) 4(4.191,2.223)
STC7343
  rect 2.54x2.413 smd: 1(-3.429,0) 2(3.429,0)
STFM24-39-630
  rect 0.508x2.083 smd: 1(-5.445,-8.933) 2(-4.455,-8.933) 3(-3.465,-8.933) 4(-2.475,-8.933) 5(-1.485,-8.933) 6(-0.495,-8.933) 7(0.495,-8.933) 8(1.485,-8.933) 9(2.475,-8.933) 10(3.465,-8.933) 11(4.455,-8.933) 12(5.445,-8.933) 13(5.445,8.933) 14(4.455,8.933) 15(3.465,8.933) 16(2.475,8.933) 17(1.485,8.933) 18(0.495,8.933) 19(-0.495,8.933) 20(-1.485,8.933) 21(-2.475,8.933) 22(-3.465,8.933) 23(-4.455,8.933) 24(-5.445,8.933)
SW4_6M6X5M4
  rect 0.61x1.981 smd: 1(-1.875,-3.6) 2(-0.625,-3.6) 3(0.625,-3.6) 4(1.875,-3.6) 5(1.875,3.6) 6(0.625,3.6) 7(-0.625,3.6) 8(-1.875,3.6)
TF_CARD-MISOSD
  round 1.016 hole 1.016 unplated: (-4.95,-3) (3.05,-3)
  rect 0.711x1.651 smd: 1(2.25,7.5) 2(1.15,7.5) 3(0.05,7.5) 4(-1.05,7.5) 5(-2.15,7.5) 6(-3.25,7.5) 7(-4.35,7.5) 8(-5.45,7.5) 12(-6.55,7.5)
  rect 1.27x2.286 smd: 9(-7.75,-2.6) 13(7.75,-2.6)
  rect 1.219x1.397 smd: 10(-7.75,7)
  rect 1.651x1.397 smd: 11(6.85,7)
TO-TR
  rect 1.397x1.397 hole 0.914: 1(-2.54,0)
  round 1.397 hole 0.914: 2(0,0) 3(2.54,0)
TSOT23-6
  rect 0.635x1.27 smd: 1(-0.95,-1.2) 2(0,-1.2) 3(0.95,-1.2) 4(0.95,1.2) 5(0,1.2) 6(-0.95,1.2)
unnamed#2
  round 0.61 hole 0.61 unplated: (-2.2,1.1) (-1.1,1.1) (0,1.1) (1.1,1.1) (2.2,1.1)
unnamed#3
  round 0.61 hole 0.61 unplated: (-2.2,1.1) (-2.2,-1.1) (-1.1,1.1) (-1.1,-1.1) (0,1.1) (0,-1.1) (1.1,1.1) (1.1,-1.1) (2.2,1.1) (2.2,-1.1)
unnamed#4
  round 1.016 smd: 1(0,0)
unnamed#5
  round 2.108 hole 2.108 unplated: (0,0)
USB4-200-1907
  oval 1.27x1.778 hole 0.914: 1(0,0) 2(2,0) 3(4,0) 4(6,0)
  round 2.032 hole 1.321: 5(-0.73,2.72) 6(6.27,2.72) 7(-0.73,-2.72) 8(6.27,-2.72)
VAF2
  rect 1.524x3.81 hole 1.016x3.048: 1(0,4.496)
  rect 3.048x2.032 hole 2.54x1.524: 2(0,0)
VAF6-1406D
  round 1.397 hole 1.397 unplated: (5.5,0)
  rect 1.778x2.159 smd: 1(-2.25,-3.75) 2(4.3,4.15) 3(0.5,-3.75) 4(-2.25,3.75) 5(6.5,4.15) 6(5.55,-3.75)
WBC0104-49T
  oval 0.762x1.143 hole 0.508: 1(0,0) 2(1.25,0) 3(2.5,0) 4(3.75,0)
WBC0108-49T
  oval 0.762x1.143 hole 0.508: 1(0,0) 2(1.25,0) 3(2.5,0) 4(3.75,0) 5(5,0) 6(6.25,0) 7(7.5,0) 8(8.75,0)

## Nets
1V2_SII9022A: C17.1 C49.1 C58.1 C161.1 C171.1 C174.1 LB1.1 LB3.1 U18.5 U18.6
1V2A_SII9022A: C47.1 C48.1 C170.1 LB1.2 U22.60 U22.66
1V2D_SII9022A: C50.1 C54.1 C55.1 C56.1 C57.1 C60.1 C176.1 LB3.2 U22.5 U22.12 U22.26 U22.42 U22.47 U22.53
1V05_PHY: C35.1 C130.1 L3.2 LB8.1 LB13.1
1V05A_PHY: C32.1 C34.1 C36.1 C131.1 LB8.2 U3.3 U3.9 U3.40
1V05D_PHY: C30.1 C31.1 C132.1 LB13.2 U3.28 U3.36
1V8: C4.1 C19.1 C96.1 C163.1 C189.1 C198.1 C204.1 C207.1 J8.65 J8.67 J16.95 R58.1 R153.1 U20.6
1V8_C: C73.1 C186.1 C190.1 C199.1 C208.1 J9.65 J9.67 LB7.1
1V8D_AK7756EN: C74.1 C187.1 LB7.2 U17.5
3V3: C6.1 C9.1 C15.1 C18.1 C20.1 C22.1 C25.1 C27.1 C29.1 C44.1 C45.2 C46.1 C59.1 C76.1 C81.1 C82.1 C86.1 C91.1 C109.1 C110.1 C128.1 C137.1 C138.1 C162.1 C164.1 C168.1 C175.1 C178.1 C194.1 C196.1 C203.1 C205.1 C210.1 C211.1 C212.1 C214.1 C217.1 C218.1 C226.1 C227.1 D10.2 J8.55 J8.57 J8.59 J8.61 J13.16 J14.1 J14.2 J16.35 J16.37 J17.67 J17.68 J17.69 J17.70 J17.71 J17.72 J20.1 J21.4 L2.2 LB2.1 LB9.2 LB10.1 LB11.1 LB12.1 Q4.3 R21.1 R22.1 R28.1 R57.1 R60.1 R61.1 R62.1 R63.1 R64.1 R65.1 R66.1 R75.2 R76.2 R97.2 R116.1 R119.1 R120.1 R150.1 R152.1 R183.2 R194.1 R199.1 R209.1 R211.1 R214.1 U6.2(TP-2) U10.8(TP-8) U11.5 U16.10 U16.15 U18.1 U18.3 U20.1 U20.3 U21.1 U23.2(TP-2) U24.5 U25.1 U26.8 U27.3
3V3_1V8_RGMII_IO: C21.1 C43.1 C64.1 C165.1 C202.1 C209.1 J16.77 J16.79 R111.1 R112.1 R113.1 R114.1 R117.1 R152.2 R153.2 U3.15 U3.21
3V3_C: C65.1 C70.1 C72.1 C103.1 C117.1 C122.1 C123.1 C182.1 C185.1 C192.1 D11.1 J9.55 J9.57 J9.59 J9.61 LB5.1 LB6.1 Q1.2 Q2.2 R50.1 R91.1 R92.1 R108.1 R126.1 R127.1 R136.1 U8.8(TP-8) U14.1
3V3A_AK7756EN: C71.1 C184.1 LB6.2 U17.25
3V3A_PHY: C37.1 C38.1 C221.1 LB10.2 U3.6 U3.41
3V3D_AK7756EN: C69.1 C181.1 LB5.2 R134.1 U17.7
3V3D_PHY: C33.1 C222.1 LB11.2 U3.37
5V0: C14.1 C16.1 C23.1 C79.1 C93.1 C98.1 C114.1 C136.1 C159.1 C166.1 C173.1 C188.1 C197.1 C206.1 J8.35 J8.37 J15.1 L1.2 L4.1 LB4.1 R182.2 U2.6 U13.4(TP-4) U19.1 U19.2
5V0_C: C66.1 C104.1 C193.1 J9.35 J9.37 R81.1
5V0_HDMI: C112.1 C156.1 J26.18 R148.2 R149.2 U1.38
5V0_SII9022A: C113.1 C115.1 C157.1 C158.1 LB4.2 U1.1
5V0_USB: C94.1 C139.1 J12.1 R230.1 U2.1
12V0: C87.1 C88.1 C89.1 C141.1 C150.1 C152.1 C153.1 C154.1 C155.1 C183.1 D1.2 F1.2(TP-2) J18.1 R71.1 R72.1 U9.3 U15.3
DVDD3318_SENSOR: C5.1 C8.1 C24.1 C167.1 C201.1 J16.34 J16.36 R59.1 R172.1 U19.4
